# Altium PCB fastcar.PcbDoc (part 1 of 6)
Units mm, origin at the board's own origin, x right, y up, seen from the top; angles counter-clockwise.
Board outline 341.4 x 93 mm, 6 copper layers (Component Side, Signal 1, Signal 2, GND, POWER, Solder Side); 271 components, 375 nets, 1876 pads, 1375 vias.
Unrouted connection lines stored in the file: 4.
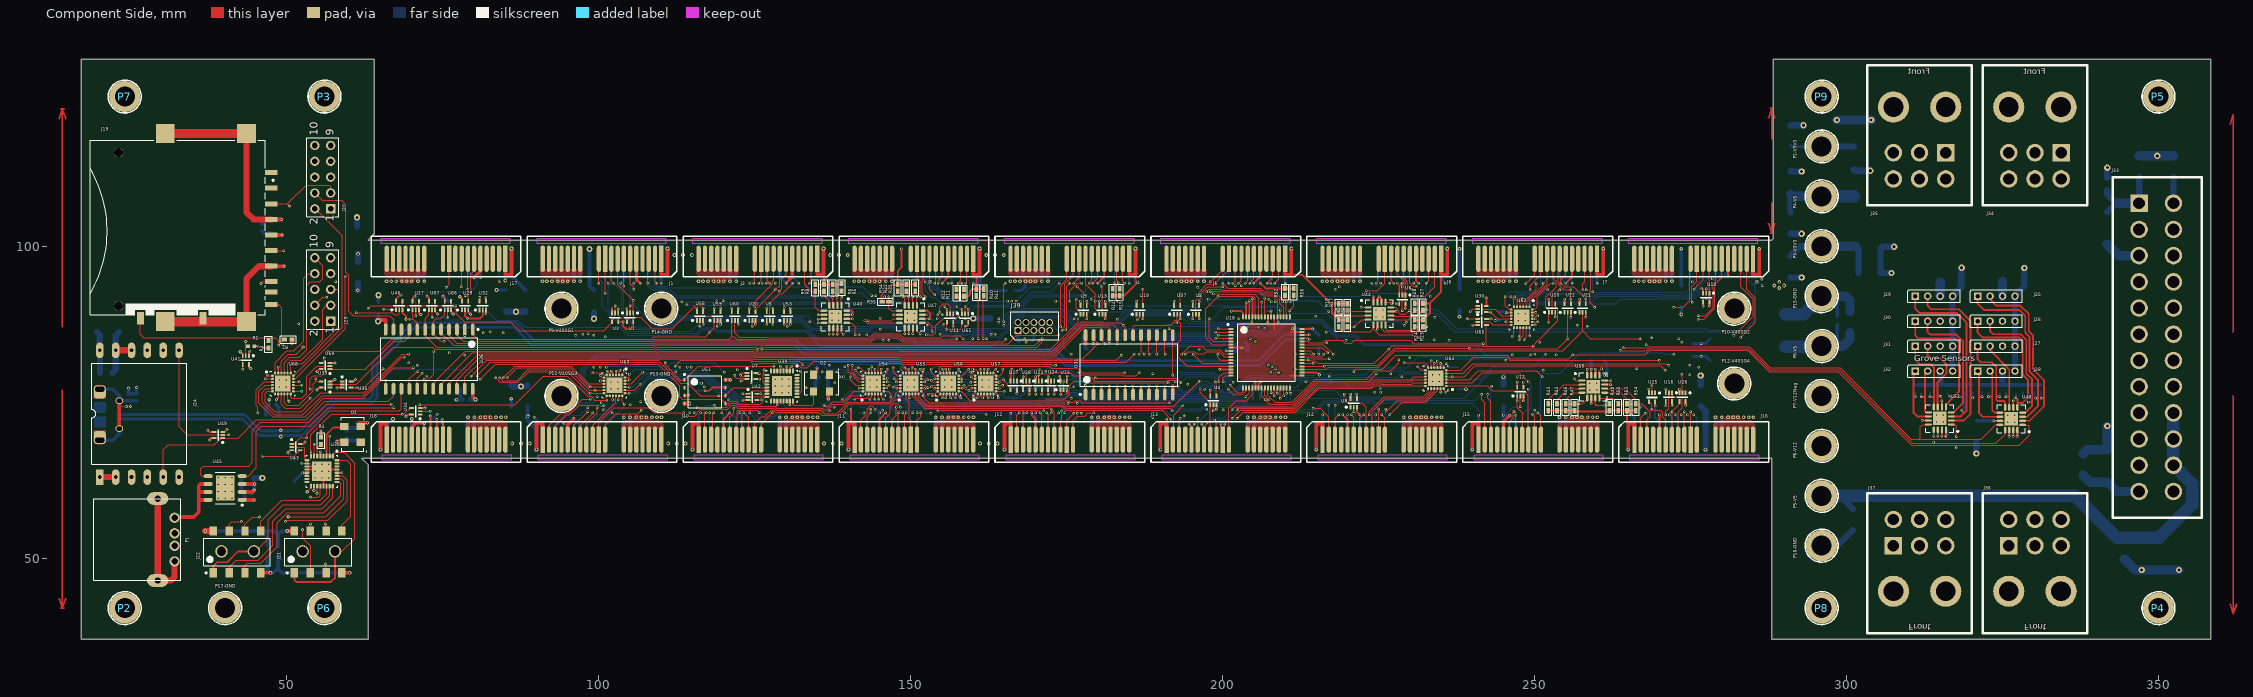
[diagram p0: Component Side view]
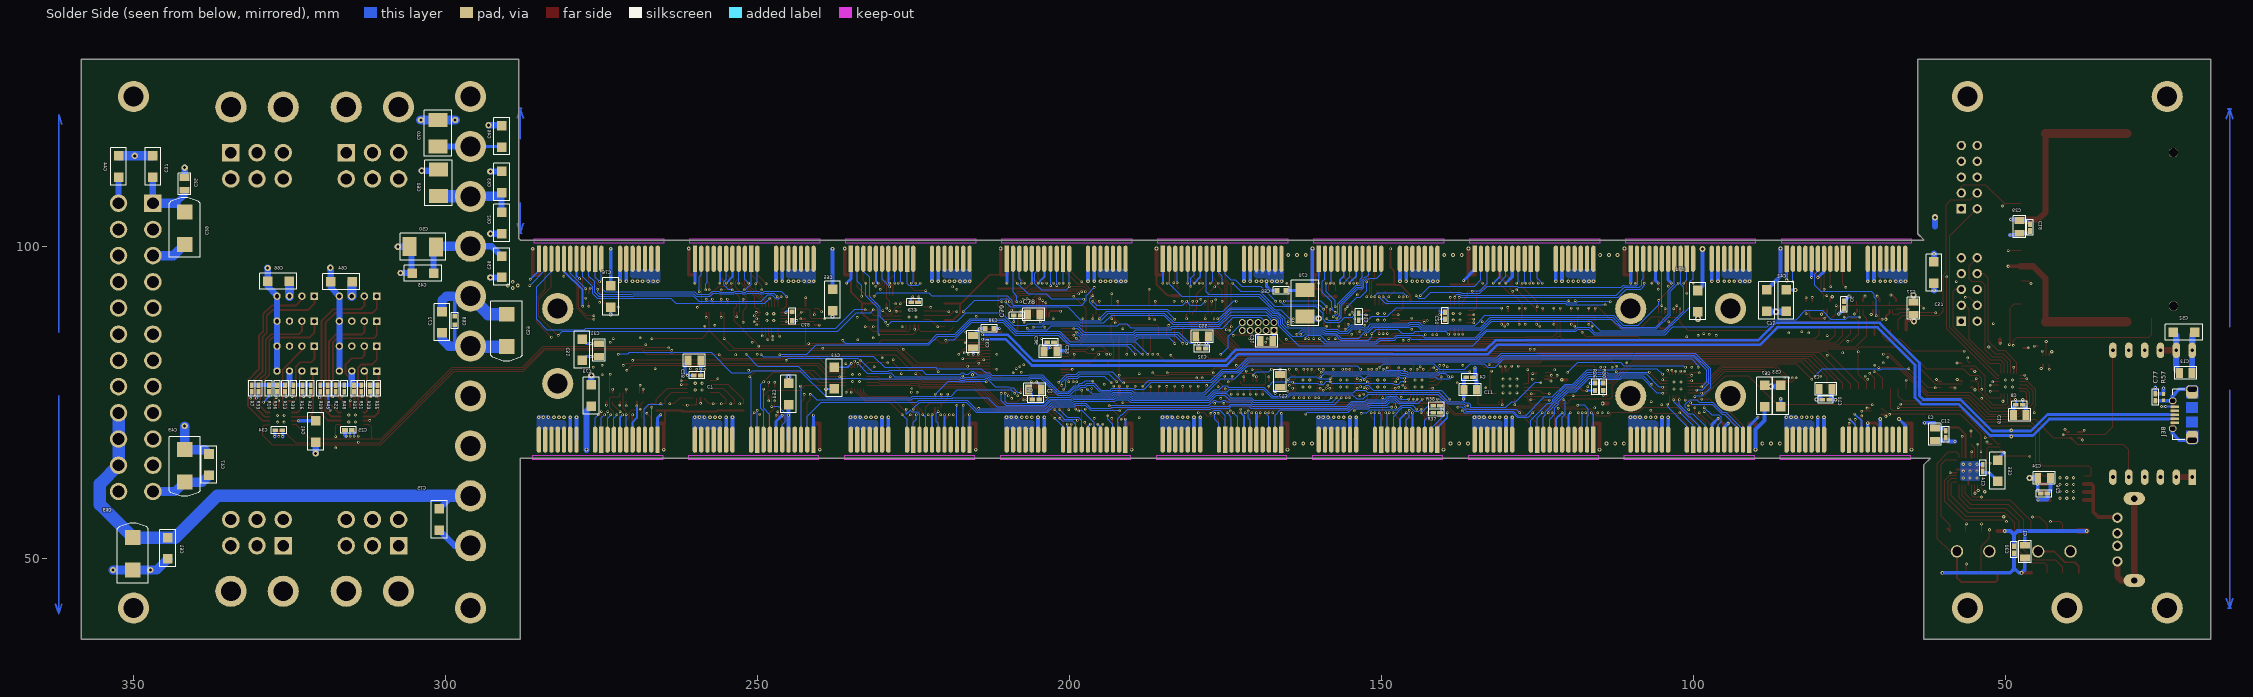
[diagram p1: Solder Side view, seen from below]
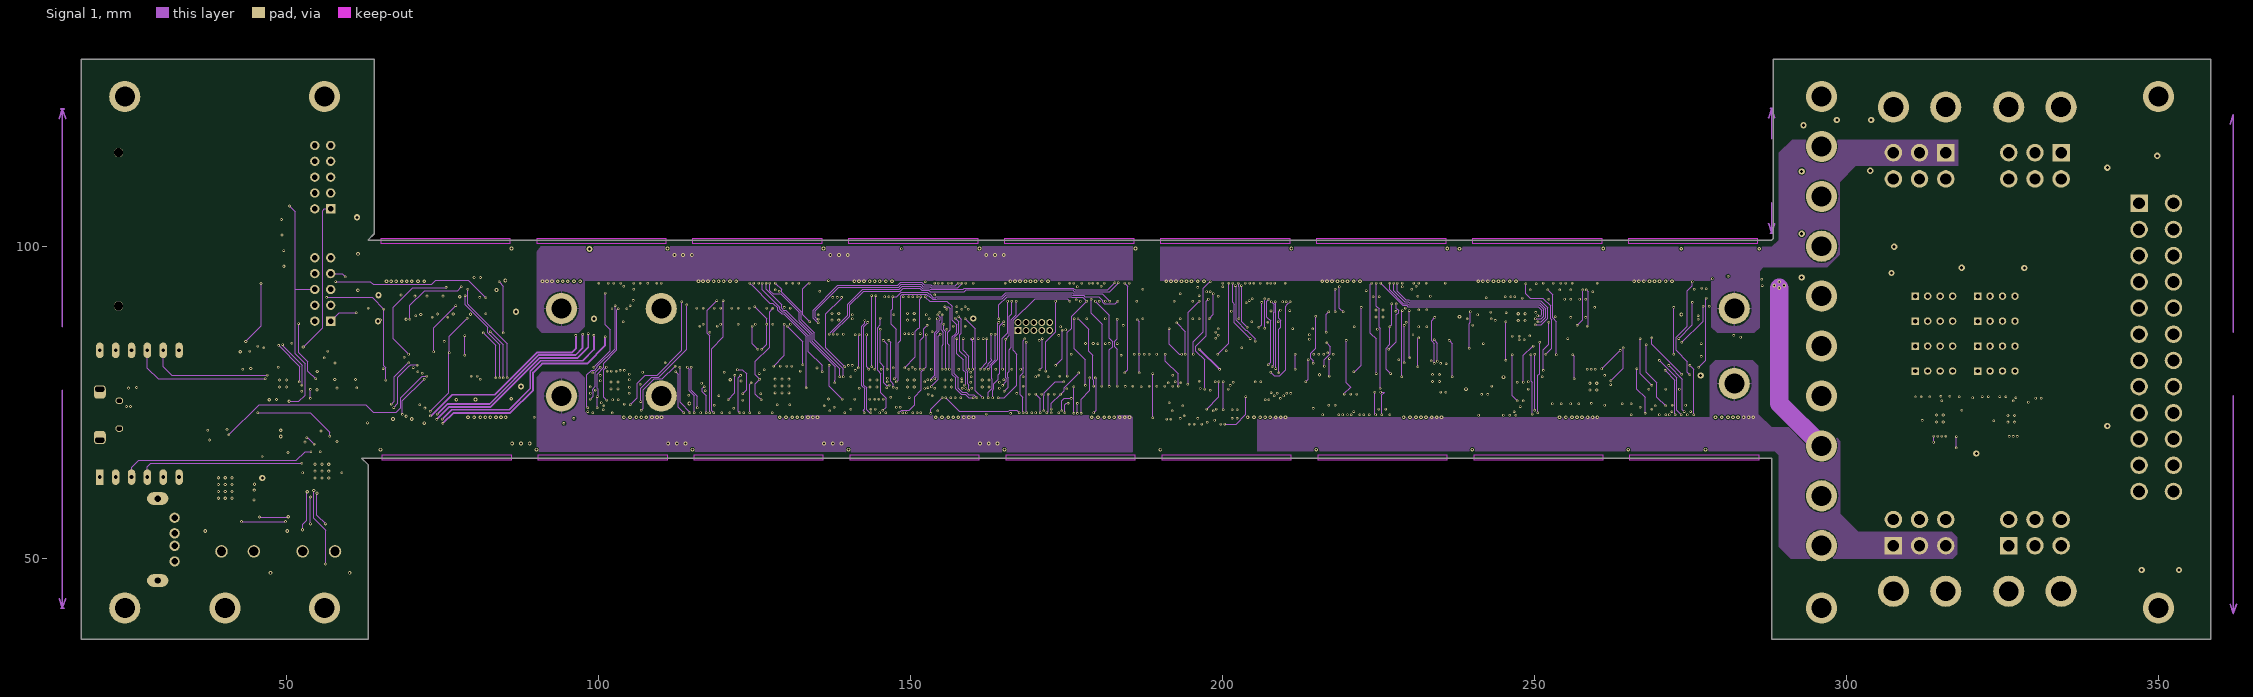
[diagram p2: Signal 1]
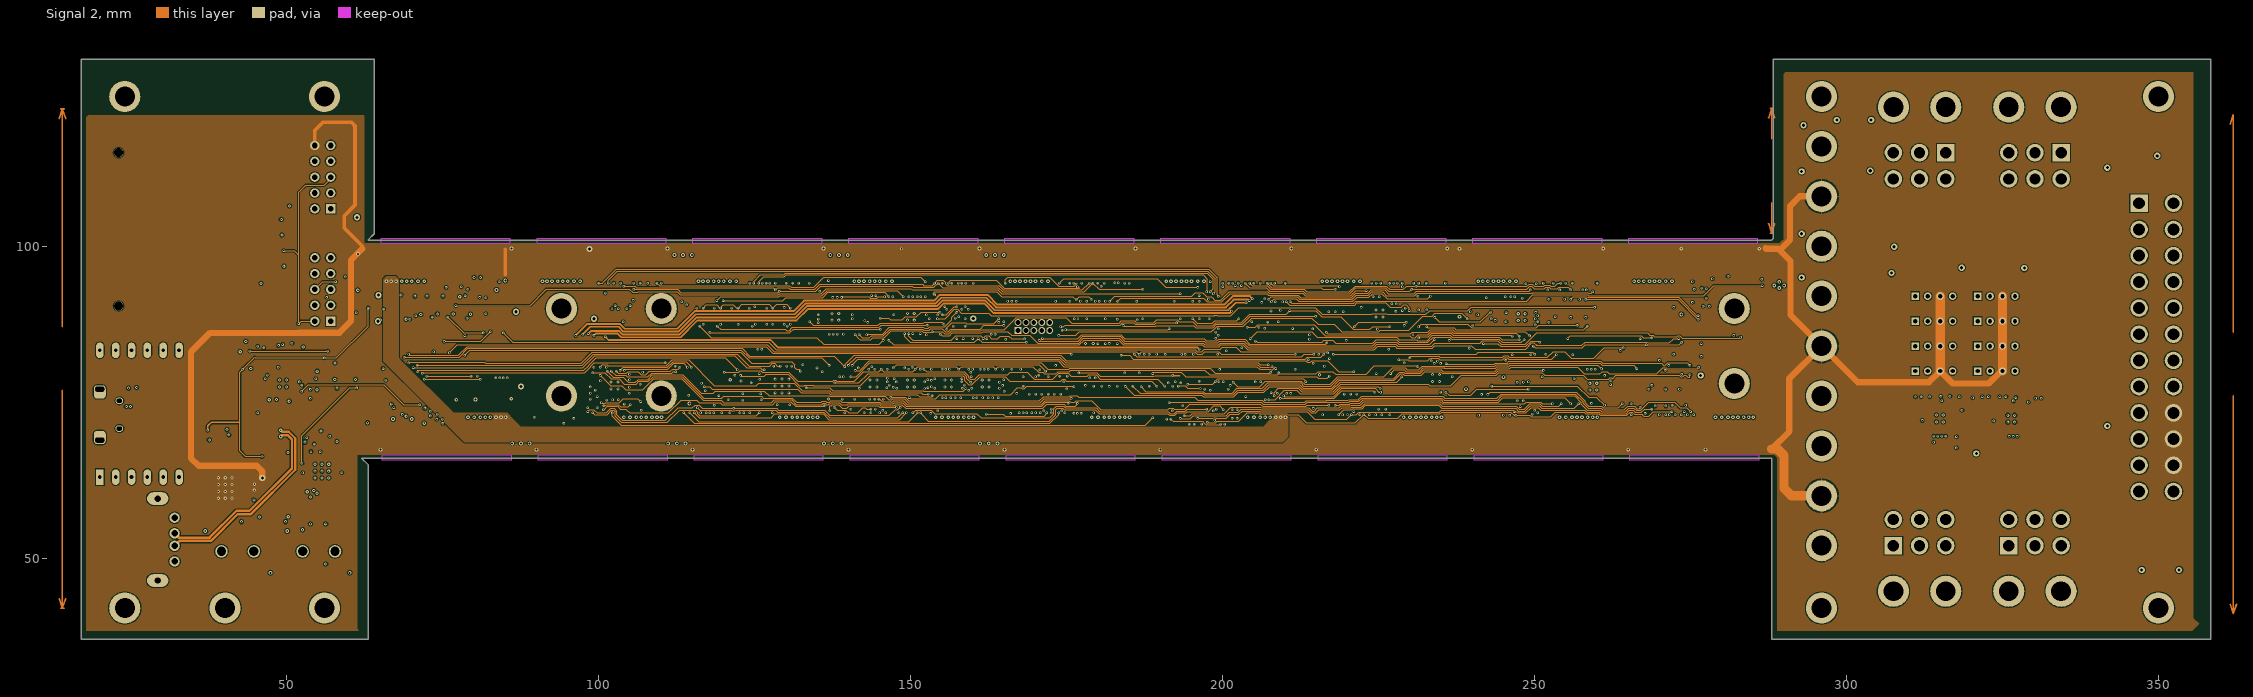
[diagram p3: Signal 2]
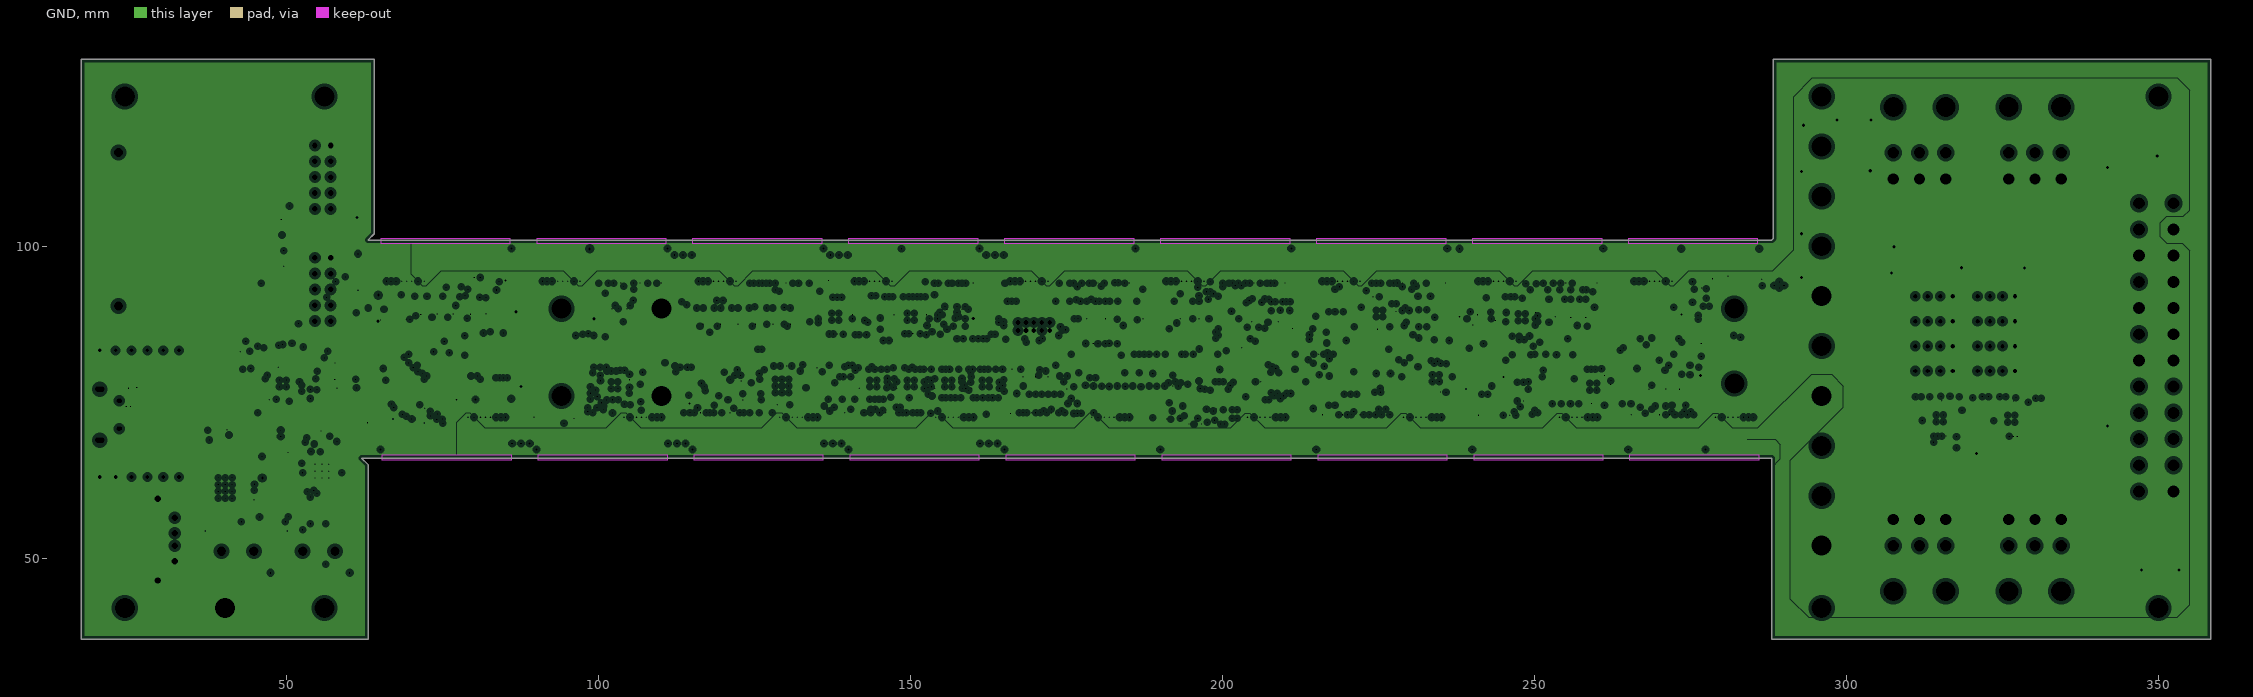
[diagram p4: GND, clearances drawn from the general rule]
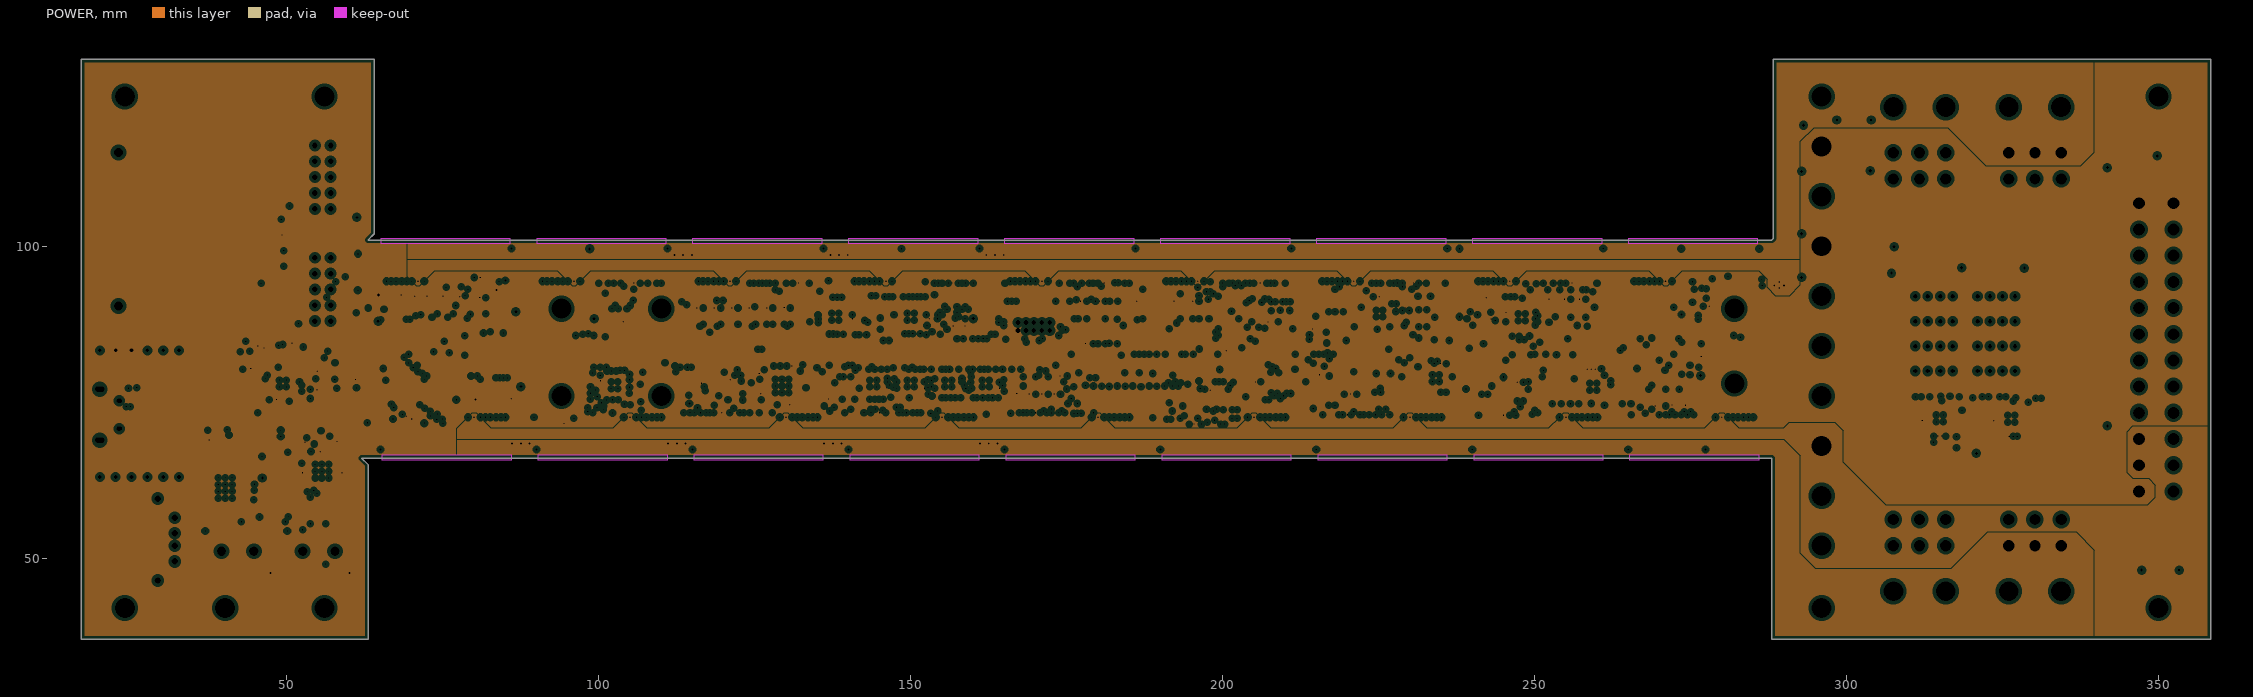
[diagram p5: POWER, clearances drawn from the general rule]
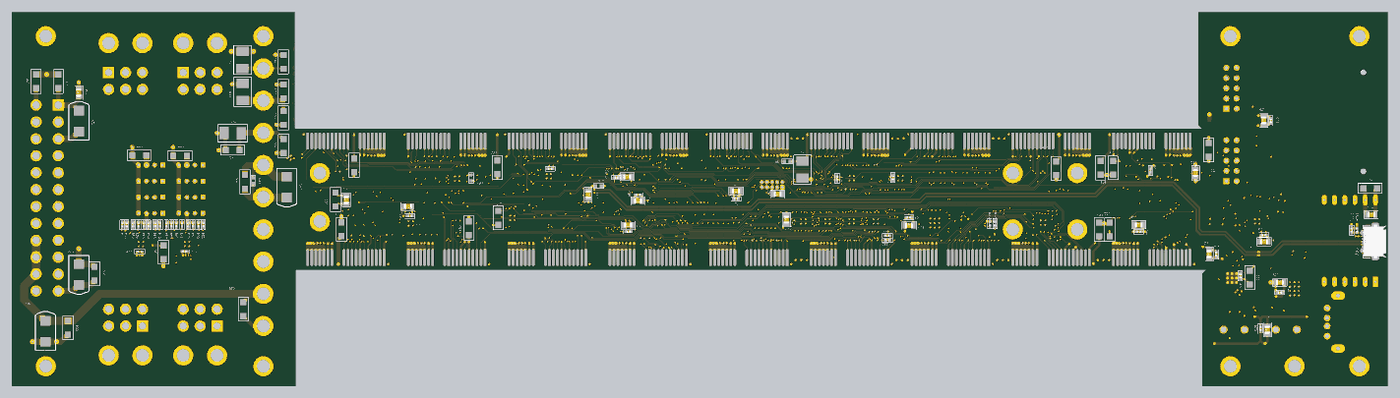
[diagram p11: 3D render of the assembled board from below, using the file's embedded part models]

## Layer stack, top to bottom
Top Solder: solder mask 0.0102, Solder Resist, Dk 3.5
Component Side: signal copper 0.0356
Dielectric1: core 0.32, FR-4, Dk 4.8
Signal 1: signal copper 0.0356
Dielectric2: prepreg 0.32, FR-4, Dk 4.8
Signal 2: signal copper 0.0356
Dielectric3: core 0.32, FR-4, Dk 4.8
GND: plane copper 0.036
Dielectric7: prepreg 0.32, FR-4, Dk 4.8
POWER: plane copper 0.036
Dielectric8: core 0.32, FR-4, Dk 4.8
Solder Side: signal copper 0.0356
Bottom Solder: solder mask 0.0102, Solder Resist, Dk 3.5

## Board outline
17,130 17,37 63,37 63,65 62,66 89,66 147,66 288,66 288,45.104 288,37 296.104,37 358.4,37 358.4,130 288.254,130 288.254,101.254 288,101 261,101 63,101 64,102 64,130

## Design rules (kind name [scope] priority, off if disabled: settings)
Clearance [All] p1: gap=0.15
DiffPairsRouting DiffPairRouting_USB [(InDifferentialPair('USB'))] p1: maxlimit=0.5 minlimit=0.15 mostfreqgap=0.3 toplayer_mingap=0.2 toplayer_minwidth=0.381 toplayer_maxwidth=0.381 toplayer_prefwidth=0.381 midlayer1_prefgap=0.15 midlayer1_minwidth=0.381 midlayer1_maxwidth=0.381 midlayer1_prefwidth=0.381 midlayer3_prefgap=0.15 midlayer3_minwidth=0.381 midlayer3_maxwidth=0.381 midlayer3_prefwidth=0.381 bottomlayer_mingap=0.25 bottomlayer_maxgap=0.35 bottomlayer_minwidth=0.381 bottomlayer_maxwidth=0.381 bottomlayer_prefwidth=0.381 maxuncoupledlength=12.7
DiffPairsRouting [All] p2: maxlimit=0.5 minlimit=0.15 mostfreqgap=0.15 toplayer_minwidth=0.381 toplayer_maxwidth=0.381 toplayer_prefwidth=0.381 midlayer1_minwidth=0.381 midlayer1_maxwidth=0.381 midlayer1_prefwidth=0.381 midlayer3_minwidth=0.381 midlayer3_maxwidth=0.381 midlayer3_prefwidth=0.381 bottomlayer_minwidth=0.381 bottomlayer_maxwidth=0.381 bottomlayer_prefwidth=0.381 maxuncoupledlength=12.7
HoleSize [All] p1: absolutevalues=TRUE maxlimit=4 minlimit=0.1 maxpercent=80.000 minpercent=20.000
PlaneClearance [All] p1: clearance=0.508
PlaneConnect isVia [IsVia] p1: planeconnectstyle=Direct reliefexpansion=0.508 reliefentries=4 reliefconductorwidth=0.254 reliefairgap=0.254
PlaneConnect [All] p2: planeconnectstyle=Relief reliefexpansion=0.508 reliefentries=4 reliefconductorwidth=0.3 reliefairgap=0.2
PolygonConnect PolygonPowerPCI [All vs InComponent('J*')] p1: connectstyle=Direct reliefconductorwidth=0.254 reliefentries=4 polygonreliefangle="90 Angle" airgapwidth=0.254
PolygonConnect PolygonConnect_1 [All  and not isVia vs IsNamedPolygon('V40GS2_PCI')  or IsNamedPolygon('V40GS4_PCI')] p2: connectstyle=Relief reliefconductorwidth=2 reliefentries=4 polygonreliefangle="90 Angle" airgapwidth=0.254
PolygonConnect VIA [isVia] p3: connectstyle=Direct reliefconductorwidth=0.254 reliefentries=4 polygonreliefangle="90 Angle" airgapwidth=0.254
PolygonConnect [All and not isVia] p4: connectstyle=Relief reliefconductorwidth=0.254 reliefentries=4 polygonreliefangle="90 Angle" airgapwidth=0.254
RoutingVias [All] p1: holewidth=0.2 width=0.5 viastyle="Through Hole" minholewidth=0.2 minwidth=0.4 maxholewidth=0.5 maxwidth=1
SolderMaskExpansion [All] p1: expansion=0.102
Width [All] p1: maxlimit=5 minlimit=0.15 preferedwidth=0.15 minimp=50.000000 maximp=50.000000 favimp=50.000000
Width Width_USB [(InDifferentialPair('USB'))] p2 off: maxlimit=1.582 minlimit=0.399 preferedwidth=0.955 toplayer_minwidth=1.385 toplayer_prefwidth=1.48 midlayer1_minwidth=0.892 midlayer1_maxwidth=1.021 midlayer3_maxwidth=0.46 midlayer3_prefwidth=0.429 bottomlayer_maxwidth=0.46 bottomlayer_prefwidth=0.429 impedancedriven=TRUE minimp=48.000000 maximp=52.000000 favimp=50.000000
26 further rules are at their usual default settings.

## Classes and differential pairs
component class Sheet5_Bypass: C37 C38 C39 C40 C41 C42 C43 C44 C45 C46 C47 C48 C49 C50 C51 C52 C53 C54 C55 C56 C57 C58 C59 C60 C61 C62 C63 C64 C65 C66 C67 C68 C69 C70 C71 C72 C73 C74 C75 C76
component class Sheet3_CPU: C1 C2 C3 C4 C5 C6 C7 C8 C9 C10 C77 C78 C79 C200 C201 C202 C203 C204 C205 C206 C207 C208 C209 C210 C211 C212 C213 C214 C215 C216 C217 C218 J38 J39 J201 JS200 JS201 L200 L201 L202 R57 R200 R201 R202 R204 R205 R206 R207 R208 R209 R211 R212 R213 R214 R215 R216 R217 R218 R219 R220 R221 R222 R223 R224 R225 R226 R227 R228 R229 R230 R231 R232 R233 R234 TP200 TP201 U18 U19 U20 U21 U22 U23 U24 U25 U26 U27 U28 U29 U30 U31 U32 U33 U34 U35 U36 U37
component class Sheet1_PciExpress: J1 J2 J3 J4 J5 J6 J7 J8 J9 J10 J11 J12 J13 J14 J15 J16 J17 J18 U1 U2 U3 U4 U5 U6 U7 U8 U9 U10 U12 U13 U14 U15 U16 U17
component class Sheet0_Top: J33 J34 J35 J36 J37 P2 P2-V3V3 P3 P3-V3V3 P4 P4-V5 P5 P5-V5 P6 P6-V12 P7 P7-V12Neg P8 P8-V5 P9 P9-V40SG1 P10-V40SG2 P11-V40SG3 P12-V40SG4 P13-GND P14-GND P15-GND P16-GND P17 P17-GND
component class Sheet2_IoExp: U54 U55 U56 U57 U58 U59 U60 U61 U62 U63 U64 U65 U66 U67 U68 U69
component class Sheet4_GenIo: C11 C12 C13 C14 C15 C16 C17 C18 C19 C20 C21 C22 C23 C24 C25 C26 C27 C28 C29 C30 C31 C32 C33 C34 C35 C36 J19 J20 J21 J22 J23 J24 J25 J26 J27 J28 J29 J30 J31 J32 O1 O2 P1 R1 R2 R3 R4 R5 R6 R7 R8 R9 R10 R11 R12 R13 R14 R15 R16 R17 R18 R19 R20 R21 R22 R23 R24 R25 R26 R27 R28 R29 R30 R31 R32 R33 R34 R35 R36 R37 R38 R39 R40 R41 R42 R43 R44 R45 R46 R47 R48 R49 R50 R51 R52 R53 R54 R55 R56 U38 U39 U40 U41 U42 U43 U44 U45 U46 U47 U48 U49 U50 U51 U52 U53
differential pair USB: +USB_P -USB_N

## Components (designator, comment, footprint, x,y, rotation, side; value= is the part's Value field where it differs from the comment)
C1 "" AP1-00041 46.82,50.03 r90 bottom
C2 "" AP1-00041 204.49,77.07 r0 bottom
C3 "" AP1-00041 61.25,68.85 r90 bottom
C4 "CAP-NONPOL" AP1-00001 135.835,78.999 r180 bottom
C5 "CAP-NONPOL" AP1-00001 205.38,75.45 r0 bottom
C6 "CAP-NONPOL" AP1-00001 75.81,90.64 r270 bottom
C7 "" AP1-00041 259.068,81.7 r0 bottom
C8 "CAP-NONPOL" AP1-00001 47.7,74.6 r180 bottom
C9 "" AP1-00041 79.785,77.15 r180 bottom
C10 "CAP-NONPOL" AP1-00001 78.75,75.4 r180 bottom
C11 "" AP1-00041 136.735,76.999 r180 bottom
C12 "CAP-NONPOL" AP1-00001 59.5,69.85 r90 bottom
C13 "" AP1-00041 22.05,79.7 r180 bottom
C14 "CAP-NONPOL" AP1-00001 53.55,64.45 r90 bottom
C15 "" AP1-00041 177.68,85.55 r0 bottom
C16 "CAP-NONPOL" AP1-00001 153.6,88.7 r90 bottom
C17 "" AP1-00041 166.2,77.4 r90 bottom
C18 "CAP-NONPOL" AP1-00001 46,103 r90 bottom
C19 "" AP1-00041 48.65,72.95 r180 bottom
C20 "CAP-NONPOL" AP1-00001 139.77,88.86 r90 bottom
C21 "" AP1-00041 167.368,84.8 r0 bottom
C22 "CAP-NONPOL" AP1-00001 224.805,91.045 r180 bottom
C23 "" AP1-00041 202,83.1 r0 bottom
C24 "" AP1-00041 44.75,62.85 r180 bottom
C25 "CAP-NONPOL" AP1-00001 315.55,70.55 r0 bottom
C26 "CAP-NONPOL" AP1-00001 43.75,60.35 r180 bottom
C27 "" AP1-00041 64.65,91.07 r270 bottom
C28 "CAP-NONPOL" AP1-00001 259.65,79.3 r0 bottom
C29 "" AP1-00041 47.7,102.1 r90 bottom
C30 "CAP-NONPOL" AP1-00001 48.55,51.35 r90 bottom
C31 "" AP1-00041 275.42,82.34 r90 bottom
C32 "CAP-NONPOL" AP1-00001 178.7,83.6 r0 bottom
C33 "" AP1-00041 215.4,85.7 r270 bottom
C34 "CAP-NONPOL" AP1-00001 326.7,70.5 r0 bottom
C35 "" AP1-00041 341.8,108.968 r90 bottom
C36 "CAP-NONPOL" AP1-00001 203,84.6 r0 bottom
C37 "C1206C104KARACTU" 1206C-GENERIC 346.9,111.071 r90 bottom
C38 "UMK107BJ105KA-T" 0603C-2U2 213.5,86.8 r180 bottom
C39 "T494C105K050AT" 2413 341.8,102.3 r90 bottom
C40 "ECW-U4103V17" 1913-X-GENERIC 301.2,116 r90 bottom
C41 "ECW-U1102JX5" 1206R-GENERIC 320.8,72.029 r270 bottom
C42 "UMK316BBJ106ML-T" 1206R-GENERIC 85.1,89.6 r90 bottom
C43 "UMK316BBJ106ML-T" 1206R-GENERIC 237.7,77.171 r90 bottom
C44 "UMK316BBJ106ML-T" 1206R-GENERIC 352.4,114.5 r270 bottom
C45 "UMK316BBJ106ML-T" 1206R-GENERIC 305.329,95.7 r180 bottom
C46 "UMK316BBJ106ML-T" 1206R-GENERIC 291,119.329 r270 bottom
C47 "C1206C104KARACTU" 1206C-GENERIC 337.9,63.271 r90 bottom
C48 "UMK107BJ105KA-T" 0603C-2U2 244.4,89.5 r270 bottom
C49 "T494C105K050AT" 2413 341.8,65.4 r270 bottom
C50 "ECW-U4103V17" 1913-X-GENERIC 301.5,99.9 r0 bottom
C51 "ECW-U1102JX5" 1206R-GENERIC 278.1,81.7 r90 bottom
C52 "UMK316BBJ106ML-T" 1206R-GENERIC 19.6,86.2 r0 bottom
C53 "UMK316BBJ106ML-T" 1206R-GENERIC 85.95,77.7 r270 bottom
C54 "UMK316BBJ106ML-T" 1206R-GENERIC 245,78.029 r270 bottom
C55 "UMK316BBJ106ML-T" 1206R-GENERIC 51.2,65.729 r270 bottom
C56 "UMK316BBJ106ML-T" 1206R-GENERIC 291,95 r90 bottom
C57 "C1206C104KARACTU" 1206C-GENERIC 61.39,97.49 r270 bottom
C58 "UMK107BJ105KA-T" 0603C-2U2 165.303,92.9 r0 bottom
C59 "T494C105K050AT" 2413 290.2,87.1 r270 bottom
C60 "ECW-U4103V17" 1913-X-GENERIC 301.15,108.05 r90 bottom
C61 "ECW-U1102JX5" 1206R-GENERIC 344.5,53.3 r270 bottom
C62 "UMK316BBJ106ML-T" 1206R-GENERIC 291,102 r90 bottom
C63 "UMK316BBJ106ML-T" 1206R-GENERIC 291,112 r270 bottom
C64 "UMK316BBJ106ML-T" 1206R-GENERIC 318.4,94.3 r180 bottom
C65 "UMK316BBJ106ML-T" 1206R-GENERIC 237.95,89.7 r90 bottom
C66 "UMK316BBJ106ML-T" 1206R-GENERIC 328.5,94.4 r180 bottom
C67 "C1206C104KARACTU" 1206C-GENERIC 88.55,74.3 r90 bottom
C68 "UMK107BJ105KA-T" 0603C-2U2 298.5,87.4 r90 bottom
C69 "T494C105K050AT" 2413 350.1,50.1 r90 bottom
C70 "ECW-U4103V17" 1913-X-GENERIC 162.2,93 r270 bottom
C71 "ECW-U1102JX5" 1206R-GENERIC 88.22,93.01 r270 bottom
C72 "UMK316BBJ106ML-T" 1206R-GENERIC 300.55,89.54 r270 bottom
C73 "UMK316BBJ106ML-T" 1206R-GENERIC 276.61,77.77 r270 bottom
C74 "UMK316BBJ106ML-T" 1206R-GENERIC 99.23,89.48 r90 bottom
C75 "UMK316BBJ106ML-T" 1206R-GENERIC 301,54.471 r90 bottom
C76 "UMK316BBJ106ML-T" 1206R-GENERIC 273.49,90.23 r90 bottom
C77 "CAP-NONPOL" AP1-00001 25.9,75.8 r270 bottom
C78 "" AP1-00041 206.7,89.1 r180 bottom
C79 "CAP-NONPOL" AP1-00001 208.35,88.9 r0 bottom
J1 "PCI Express Connector - Saddle" PCIE-036-02-F-D-EMS3 110,98 r180 top locked
J2 "PCI Express Connector - Saddle" PCIE-036-02-F-D-EMS3 135,98 r180 top locked
J3 "PCI Express Connector - Saddle" PCIE-036-02-F-D-EMS3 160,98 r180 top locked
J4 "PCI Express Connector - Saddle" PCIE-036-02-F-D-EMS3 185,98 r180 top locked
J5 "PCI Express Connector - Saddle" PCIE-036-02-F-D-EMS3 210,98 r180 top locked
J6 "PCI Express Connector - Saddle" PCIE-036-02-F-D-EMS3 235,98 r180 top locked
J7 "PCI Express Connector - Saddle" PCIE-036-02-F-D-EMS3 260,98 r180 top locked
J8 "PCI Express Connector - Saddle" PCIE-036-02-F-D-EMS3 285,98 r180 top locked
J9 "PCI Express Connector - Saddle" PCIE-036-02-F-D-EMS3 91,69 r0 top locked
J10 "PCI Express Connector - Saddle" PCIE-036-02-F-D-EMS3 116,69 r0 top locked
J11 "PCI Express Connector - Saddle" PCIE-036-02-F-D-EMS3 141,69 r0 top locked
J12 "PCI Express Connector - Saddle" PCIE-036-02-F-D-EMS3 166,69 r0 top locked
J13 "PCI Express Connector - Saddle" PCIE-036-02-F-D-EMS3 191,69 r0 top locked
J14 "PCI Express Connector - Saddle" PCIE-036-02-F-D-EMS3 216,69 r0 top locked
J15 "PCI Express Connector - Saddle" PCIE-036-02-F-D-EMS3 241,69 r0 top locked
J16 "PCI Express Connector - Saddle" PCIE-036-02-F-D-EMS3 266,69 r0 top locked
J17 "PCI Express Connector - Saddle" PCIE-036-02-F-D-EMS3 85,98 r180 top locked
J18 "PCI Express Connector - Saddle" PCIE-036-02-F-D-EMS3 66,69 r0 top locked
J19 "SD/MMC Card socket" AP8-00377 37,103 r90 top
J20 "Header 5X2" HDR2X5 57,106 r90 top
J21 "8PinFemale" SOP254P740X760-8N 55,51 r90 top
J22 "8PinFemale" SOP254P740X760-8N 42,51 r90 top
J23 "Header 5X2" HDR2X5 57,88 r90 top
J24 "Wiznet Module (Qty 2 6 Pin .1 Header)" WIZ820io 20,63 r90 top
J25 "B4B-PH-K-S(LF)(SN)" B4B-PH-K-S(LF)(SN) 324,92 r0 top
J26 "B4B-PH-K-S(LF)(SN)" B4B-PH-K-S(LF)(SN) 324,88 r0 top
J27 "B4B-PH-K-S(LF)(SN)" B4B-PH-K-S(LF)(SN) 324,84 r0 top
J28 "B4B-PH-K-S(LF)(SN)" B4B-PH-K-S(LF)(SN) 324,80 r0 top
J29 "B4B-PH-K-S(LF)(SN)" B4B-PH-K-S(LF)(SN) 314,92 r0 top
J30 "B4B-PH-K-S(LF)(SN)" B4B-PH-K-S(LF)(SN) 314,88 r0 top
J31 "B4B-PH-K-S(LF)(SN)" B4B-PH-K-S(LF)(SN) 314,84 r0 top
J32 "B4B-PH-K-S(LF)(SN)" B4B-PH-K-S(LF)(SN) 314,80 r0 top
J33 "ATX Power" 46991-1024 346.9,106.9 r90 top locked
J34 "0455580003" 45558 334.4,115 r0 top locked
J35 "0455580003" 45558 315.9,115 r0 top locked
J36 "0455580003" 45558 326,52 r180 top locked
J37 "0455580003" 45558 307.5,52 r180 top locked
J38 "ZX62D-AB-5P8" AP8-00852 20,73 r90 bottom